# Altium PCB PCB_Kasli.PCBDOC (part 5 of 14)
Units mm, origin at the board's own origin, x right, y up, seen from the top; angles counter-clockwise.
Board outline 162.29 x 100 mm, 6 copper layers (TopLayer, MidLayer1, MidLayer2, SignalLayer1, Internal Plane 1, BottomLayer), stack 1.528 mm thick; 646 components, 567 nets, 2756 pads, 1560 vias.
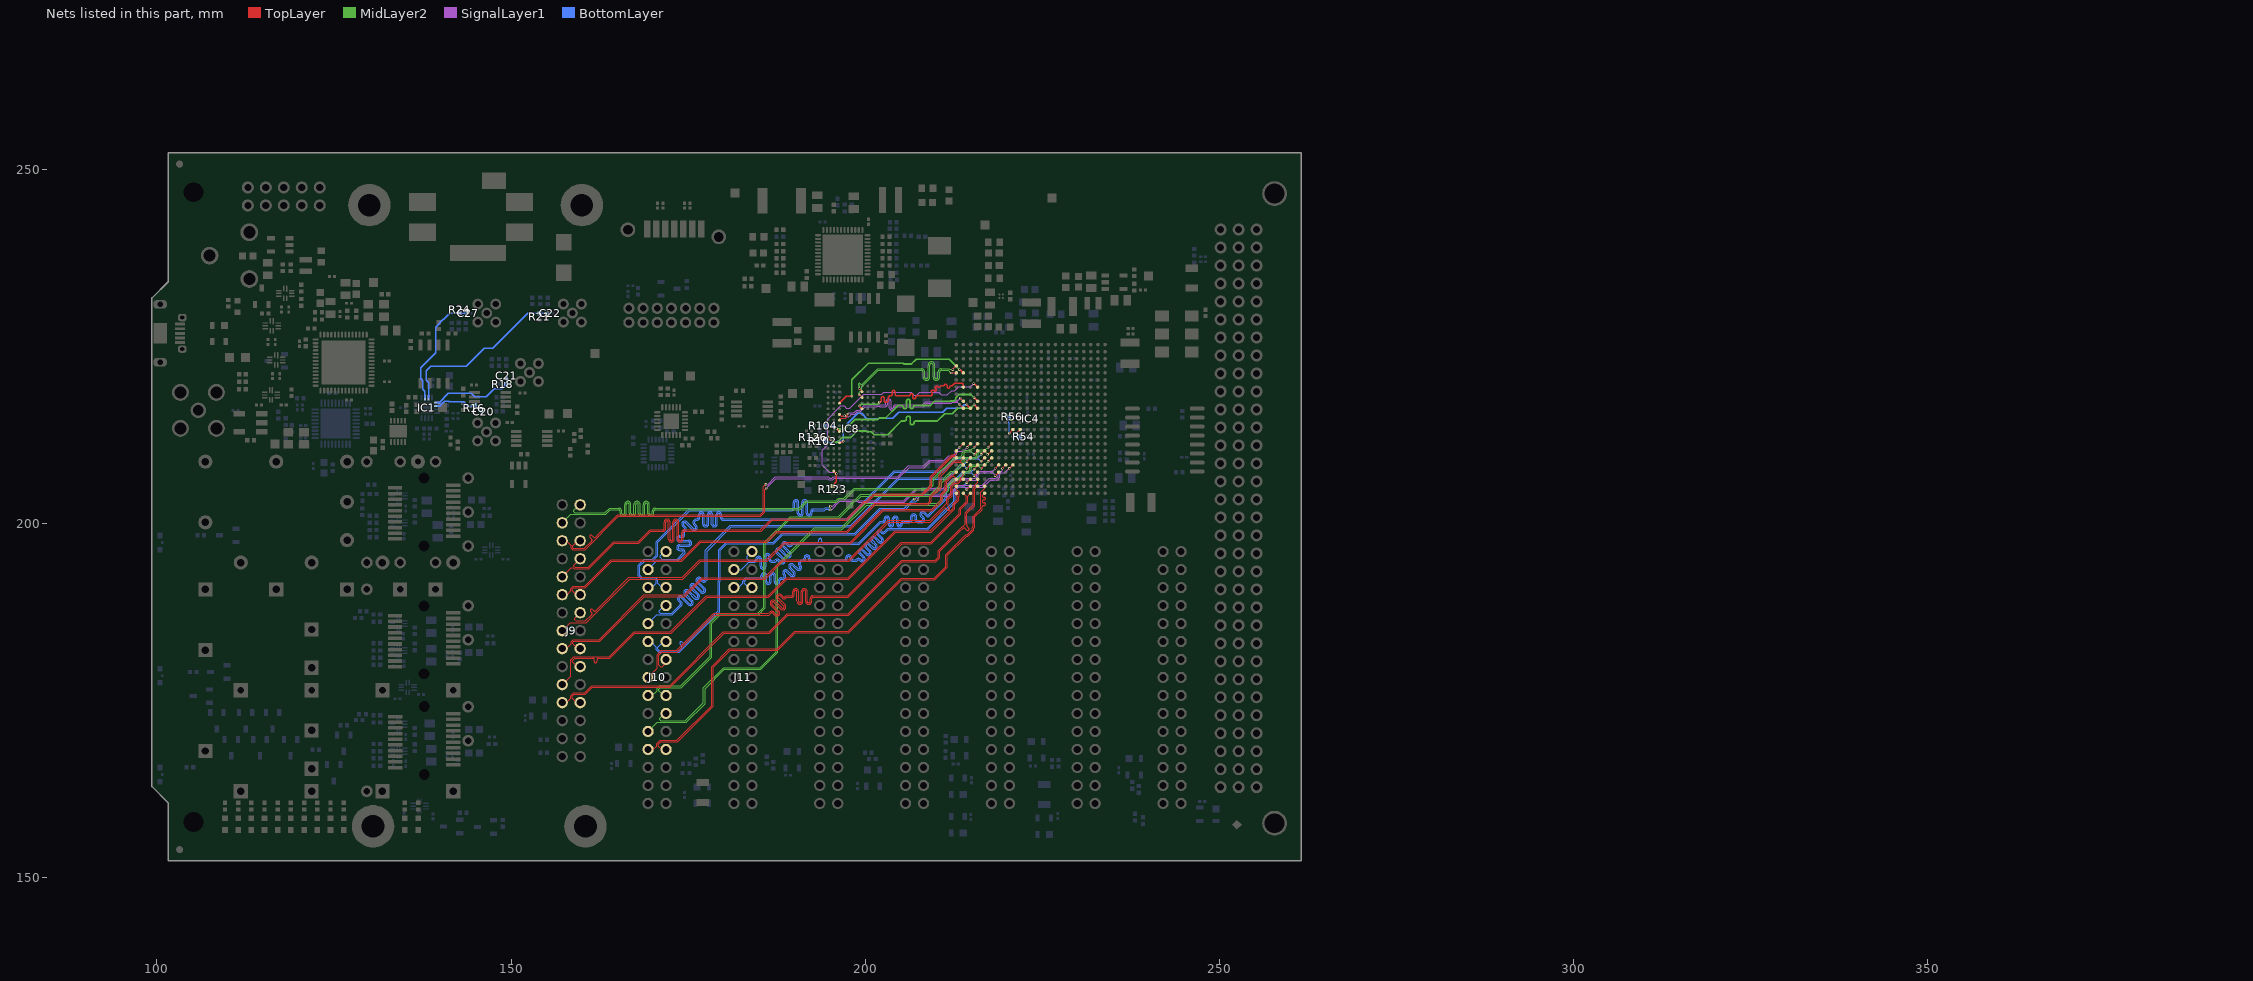
[diagram p9: the nets of this part, all layers, seen from the top]

## Via types
v1: diameter 0.5, hole 0.2, TopLayer to BottomLayer, tented both sides, 724 vias
v2: diameter 0.35, hole 0.15, TopLayer to BottomLayer, tented both sides, 628 vias
v3: diameter 0.8, hole 0.5, TopLayer to BottomLayer, tented both sides, 122 vias
v4: diameter 0.8, hole 0.5, TopLayer to BottomLayer, 66 vias
v5: diameter 0.5, hole 0.2, TopLayer to BottomLayer, 20 vias

## Nets (pads, with @x,y where several pads share a name; then routed paths per layer and width w, separated by ;. In a path a pad name is that pad's centre, name@x,y a point inside that pad or via, vN(x,y) a via of type N, cw(c..) or ccw(c..) an arc to the next point about the centre after c; other vN are vias at no path point) (continued)
DDR3_LDM: IC4.G2 IC8.E7 | length 22.4
  TopLayer w0.19: v2(199.2,216.65) 199.2,216.616 IC8.E7@199.567,216.249 ; v2(202.01,217.186) 202.091,217.186 ccw(c202.091,217.381) 202.286,217.381 202.286,217.767 cw(c202.481,217.767) 202.481,217.962 cw(c202.481,217.767) 202.676,217.767 202.676,217.381 ccw(c202.871,217.381) 202.871,217.186 203.066,217.186 203.275,217.395 203.275,217.875 203.5,218.1 203.63,218.1 ccw(c203.63,218.295) 203.825,218.295 203.825,218.646 cw(c204.02,218.646) 204.02,218.841 cw(c204.02,218.646) 204.215,218.646 204.215,218.295 ccw(c204.41,218.295) 204.41,218.1 204.605,218.1 204.8,218.1 206.15,218.1 206.257,218.1 ccw(c206.257,218.188) 206.345,218.188 cw(c206.54,218.188) 206.54,218.383 cw(c206.54,218.188) 206.735,218.188 206.735,218.1 206.735,217.837 ccw(c206.93,217.837) 206.93,217.642 ccw(c206.93,217.837) 207.125,217.837 207.125,217.905 cw(c207.32,217.905) 207.32,218.1 207.515,218.1 207.75,218.1 209.3,218.1 209.45,218.25 ccw(c209.312,218.388) 209.45,218.526 209.408,218.568 cw(c209.546,218.706) 209.408,218.844 cw(c209.546,218.706) 209.684,218.844 209.726,218.802 ccw(c209.864,218.939) 210.002,218.802 ccw(c209.864,218.939) 210.002,219.077 209.972,219.106 cw(c210.11,219.244) 209.972,219.382 cw(c210.11,219.244) 210.248,219.382 210.277,219.353 ccw(c210.415,219.491) 210.553,219.353 210.662,219.462 210.67,219.47 210.975,219.47 211.134,219.47 ccw(c211.134,219.506) 211.17,219.506 cw(c211.365,219.506) 211.365,219.701 cw(c211.365,219.506) 211.56,219.506 211.56,219.47 211.56,219.356 ccw(c211.755,219.356) 211.755,219.161 ccw(c211.755,219.356) 211.95,219.356 cw(c212.064,219.356) 212.064,219.47 212.32,219.47 212.675,219.825 213.725,219.825 213.872,219.678 IC4.G2@213.872,219.315
  MidLayer2 w0.24: v2(199.2,216.65) 199.45,216.9 201.774,216.9 v2@202,217.126
DDR3_LDQS_N: IC4.J2 IC8.G3 | length 21.3
  TopLayer w0.095: IC8.G3@196.367,214.649 196.607,214.889 196.954,214.889 196.955,214.888 197.264,214.888 197.482,215.106 197.482,215.338 197.56,215.415 v2(197.56,215.511) ; v2(213.437,217.75) IC4.J2@213.872,217.315
  SignalLayer1 w0.115: v2(197.56,215.511) 197.56,215.535 197.703,215.678 198.403,215.678 198.8,216.075 199.225,216.075 199.935,216.785 201.61,216.785 201.628,216.803 202.166,216.803 202.184,216.785 202.8,216.785 ccw(c202.8,216.917) 202.932,216.917 202.932,217.276 cw(c203.3,217.276) 203.3,217.643 cw(c203.3,217.276) 203.668,217.276 203.668,216.389 ccw(c203.8,216.389) 203.8,216.257 ccw(c203.8,216.389) 203.933,216.389 203.933,216.417 cw(c204.3,216.417) 204.3,216.785 208.11,216.785 208.566,217.241 212.049,217.241 212.208,217.4 213.087,217.4 v2(213.437,217.75)
DDR3_LDQS_P: IC4.K2 IC8.F3 | length 21.1
  TopLayer w0.095: IC8.F3@196.367,215.449 196.607,215.209 196.809,215.209 196.861,215.261 v2(197.11,215.261) ; v2(213.372,216.815) IC4.K2@213.872,216.315
  SignalLayer1 w0.115: v2@197.177,215.357 197.177,215.352 197.189,215.34 197.401,215.128 197.718,215.128 197.942,215.352 197.942,215.376 198.009,215.443 198.5,215.443 198.897,215.84 199.322,215.84 200.032,216.55 201.65,216.55 201.693,216.593 202.043,216.593 202.068,216.568 ; v2(213.372,216.815) 213.022,217.165 212.305,217.165 212.237,217.096 212.147,217.006 208.716,217.006 208.26,216.55 204.3,216.55 ccw(c204.3,216.417) 204.168,216.417 204.168,216.389 cw(c203.8,216.389) 203.8,216.022 cw(c203.8,216.389) 203.433,216.389 203.433,217.276 ccw(c203.3,217.276) 203.3,217.408 ccw(c203.3,217.276) 203.168,217.276 203.168,216.917 cw(c202.8,216.917) 202.8,216.55 202.086,216.55 ; 202.068,216.568 202.077,216.559 202.086,216.55 ; 202.068,216.568 202.086,216.55
DDR3_ODT: IC4.K4 IC8.K1 R126.2 | length 27.7
  TopLayer w0.19: R126.2@193.12,212.25 IC8.K1@194.759,212.25 ; IC8.K1@194.767,212.249 IC8.K1@194.759,212.25 ; IC8.K1@194.767,212.249 194.767,212.258 IC8.K1@194.759,212.25 ; v2(195.185,211.885) 195.073,211.885 194.738,212.22 194.734,212.225 IC8.K1@194.759,212.25 ; v2(215.372,216.815) IC4.K4@215.872,216.315
  MidLayer2 w0.24: v2(195.185,211.885) 195.515,211.555 196.105,211.555 196.75,212.2 197.95,212.2 198.87,213.12 200.134,213.12 200.239,213.015 200.884,213.015 201.299,212.6 203.175,212.6 205.1,214.525 205.55,214.525 ccw(c205.55,214.795) 205.82,214.795 205.82,214.937 cw(c206.09,214.937) 206.09,215.207 cw(c206.09,214.937) 206.36,214.937 206.36,214.525 206.36,214.27 ccw(c206.63,214.27) 206.63,214 ccw(c206.63,214.27) 206.9,214.27 206.9,214.255 cw(c207.17,214.255) 207.17,214.525 208.025,214.525 210.2,214.525 211.238,215.562 212.288,215.562 213.056,216.331 214.888,216.331 v2(215.372,216.815)
DDR3_RAS_N: IC4.J4 IC8.J3 R104.1 | length 27.4
  TopLayer w0.19: v2(195.96,213.435) 195.97,213.435 196.356,213.049 IC8.J3@196.367,213.049 ; v2(215.372,217.815) IC4.J4@215.872,217.315
  MidLayer2 w0.24: v2(195.96,213.435) 195.99,213.405 197.209,213.405 198.528,214.724 201.753,214.724 201.979,214.95 202.875,214.95 204.65,216.725 204.89,216.725 205.13,216.725 cw(c205.13,216.485) 205.37,216.485 ccw(c205.61,216.485) 205.61,216.245 ccw(c205.61,216.485) 205.85,216.485 205.85,216.725 205.85,217.349 cw(c206.09,217.349) 206.09,217.589 cw(c206.09,217.349) 206.33,217.349 206.33,216.725 206.33,216.516 ccw(c206.57,216.516) 206.57,216.276 ccw(c206.57,216.516) 206.81,216.516 ; 206.81,216.485 cw(c207.05,216.485) 207.05,216.725 207.275,216.725 209.225,216.725 209.8,217.3 211.975,217.3 212.03,217.355 212.534,217.355 212.795,217.616 212.795,217.82 213.25,218.275 214.912,218.275 v2(215.372,217.815) ; 206.81,216.496 206.81,216.506
  BottomLayer w0.19: R104.1@194.545,213.875 194.665,213.755 195.629,213.755 195.948,213.435 v2(195.96,213.435)
DDR3_RESET_N: IC4.G4 IC8.T2 R123.2 | length 36.2
  TopLayer w0.19: R123.2@195.4,205.37 195.941,205.911 195.941,207.075 IC8.T2@195.567,207.449 ; v2@215.346,219.8 v2(215.336,219.811) 215.376,219.811 IC4.G4@215.872,219.315
  SignalLayer1 w0.1: v2(195.95,207.075) 195.75,207.275 194.9,207.275 193.925,208.25 193.925,210.425 194.7,211.2 194.7,214.775 196.575,216.65 197.05,216.65 197.35,216.35 197.8,216.35 199.275,217.825 199.305,217.825 199.766,218.286 202.315,218.286 202.605,218.575 206.484,218.575 206.899,218.161 207.272,218.161 207.686,218.575 210.4,218.575 210.775,218.2 211.599,218.2 212.199,218.8 212.65,218.8 213.2,219.35 214.875,219.35 v2(215.336,219.811)
DDR3_UDM: IC4.E2 IC8.D3 | length 22.3
  TopLayer w0.19: IC8.D3@196.367,217.049 197.343,218.025 v2(198.125,218.025) ; v2@213.321,221.775 v2(213.31,221.786) 213.401,221.786 IC4.E2@213.872,221.315
  MidLayer2 w0.24: v2(198.125,218.025) 198.125,220.325 200.475,222.675 205.377,222.675 205.472,222.58 206.53,222.58 207.195,223.245 211.863,223.245 213.31,221.798 v2(213.31,221.786)
DDR3_UDQS_N: IC4.D1 IC8.B7 | length 23.2
  TopLayer w0.095: v2(199.16,219.111) 199.16,219.056 IC8.B7@199.567,218.649 ; v2(212.375,221.775) 212.332,221.775 212.354,221.796 IC4.D1@212.872,222.315
  MidLayer2 w0.115: v2(199.16,219.111) 199.16,219.285 ccw(c199.048,219.396) 199.16,219.507 199.101,219.566 cw(c199.213,219.677) 199.101,219.788 cw(c199.213,219.677) 199.324,219.788 199.382,219.73 ccw(c199.494,219.842) 199.605,219.73 ; 199.85,219.975 199.717,219.842 199.605,219.73 ; v2(212.375,221.775) 212.35,221.8 211.932,221.8 211.84,221.893 210.75,221.893 ccw(c210.75,221.425) 210.283,221.425 210.283,220.73 cw(c210.05,220.73) 210.05,220.497 cw(c210.05,220.73) 209.818,220.73 209.818,222.42 ccw(c209.35,222.42) 209.35,222.888 ccw(c209.35,222.42) 208.883,222.42 208.883,220.73 cw(c208.65,220.73) 208.65,220.497 cw(c208.65,220.73) 208.418,220.73 208.418,221.425 ccw(c207.95,221.425) 207.95,221.893 201.767,221.893 199.605,219.73
DDR3_UDQS_P: IC4.E1 IC8.C7 | length 22.7
  TopLayer w0.095: v2(199.15,218.2) 199.216,218.2 IC8.C7@199.567,217.849 ; v2(212.175,221.3) 212.182,221.307 212.865,221.307 IC4.E1@212.872,221.315
  MidLayer2 w0.115: v2(199.15,218.2) 199.15,218.56 199.542,218.952 199.542,219.335 201.865,221.658 207.95,221.658 cw(c207.95,221.425) 208.182,221.425 208.182,220.73 ccw(c208.65,220.73) 208.65,220.262 ccw(c208.65,220.73) 209.118,220.73 209.118,222.42 cw(c209.35,222.42) 209.35,222.653 cw(c209.35,222.42) 209.583,222.42 209.583,220.73 ccw(c210.05,220.73) 210.05,220.262 ccw(c210.05,220.73) 210.518,220.73 210.518,221.425 cw(c210.75,221.425) 210.75,221.658 211.743,221.658 212.1,221.3 v2(212.175,221.3)
DDR3_WE_N: IC4.K3 IC8.L3 R102.1 | length 25.2
  TopLayer w0.19: IC8.L3@196.367,211.449 196.407,211.489 196.692,211.489 196.866,211.664 v2(196.91,211.664) ; v2(214.372,216.815) IC4.K3@214.872,216.315
  BottomLayer w0.19: R102.1@194.495,211.45 195.943,211.45 196.157,211.664 v2(196.91,211.664) 196.91,213.141 197.445,213.676 197.445,214.103 198.931,215.589 199.536,215.589 200.259,214.866 201.859,214.866 201.909,214.915 203.915,214.915 204.75,215.75 210.944,215.75 211.5,216.306 213.492,216.306 214.001,216.815 v2(214.372,216.815)
DXN_0: IC4.N9 R56.1 | length 3
  TopLayer w0.125: v2(220.37,212.827) 220.384,212.827 IC4.N9@220.872,213.315
  BottomLayer w0.125: R56.1@220.305,215.1 220.305,214.278 220.375,214.208 220.375,213.323 220.37,213.319 v2(220.37,212.827)
DXP_0: IC4.N10 R54.1 | length 1.5
  TopLayer w0.125: v2@221.386,212.829 IC4.N10@221.872,213.315
  BottomLayer w0.125: v2(221.386,212.776) 221.887,212.275 R54.1@221.955,212.275
EEM_CLK_OUT0: C20.1 IC1.10 R16.1 | length 7.2
  BottomLayer w0.19: IC1.10@139.55,216.628 139.903,216.628 140.362,217.087 140.4,217.087 140.613,217.3 141.175,217.3 141.245,217.23 143.276,217.23 143.881,216.625 145,216.625 C20.1@145.825,215.8
EEM_CLK_OUT1: C21.1 IC1.9 R18.1 | length 12.1
  BottomLayer w0.19: IC1.9@139.55,217.128 139.828,217.128 141.145,218.445 144.38,218.445 144.855,217.97 146.5,217.97 147.636,219.106 148.3,219.106 148.306,219.1 148.7,219.1 149.375,219.775 C21.1@149.375,220.55
EEM_CLK_OUT2: C22.1 IC1.7 R21.1 | length 24.5
  BottomLayer w0.19: IC1.7@138.35,217.828 138.35,219.922 138.005,220.267 138.005,221.605 138.65,222.25 143.7,222.25 146.25,224.8 147.4,224.8 147.9,225.3 152.35,229.75 C22.1@155.2,229.75
EEM_CLK_OUT3: C27.1 IC1.6 R24.1 | length 16.2
  BottomLayer w0.19: IC1.6@137.85,217.828 137.82,217.858 137.82,218.7 137.5,219.02 137.5,220.191 137.225,220.466 137.225,222.025 139.35,224.15 139.35,227.775 140.445,228.87 140.47,228.87 141.344,229.744 C27.1@143.631,229.744
EXT0.LVDS_0_N: IC4.T4 J9.3 | length 74.7
  TopLayer w0.095: v2(215.372,209.815) IC4.T4@215.872,210.315
  MidLayer2 w0.115: J9.3@157.226,200.152 158.42,201.346 163.354,201.346 164.008,202 165.183,202 cw(c165.183,201.792) 165.391,201.792 165.391,201.503 ccw(c165.833,201.503) 166.276,201.503 166.276,202.731 cw(c166.483,202.731) 166.691,202.731 166.691,201.503 ccw(c167.133,201.503) 167.576,201.503 167.576,202.731 cw(c167.783,202.731) 167.991,202.731 167.991,201.503 ccw(c168.433,201.503) 168.876,201.503 168.876,202.731 cw(c169.083,202.731) 169.291,202.731 169.291,201.503 ccw(c169.733,201.503) 170.176,201.503 170.176,201.792 cw(c170.383,201.792) 170.383,202 190.754,202 191.77,203.016 195.98,203.016 196.336,203.371 197.098,203.371 198.527,204.801 208.916,204.801 209.589,205.474 209.589,206.052 212.801,209.264 213.589,209.264 213.84,209.515 213.978,209.653 213.978,209.944 214.084,210.05 214.092,210.058 ; v2(215.372,209.815) 214.99,210.197 214.696,210.197 214.666,210.168 214.202,210.168 214.146,210.112 ; 214.092,210.058 214.146,210.112 ; 214.092,210.058 214.146,210.112
EXT0.LVDS_0_P: IC4.R4 J9.2 | length 73.8
  TopLayer w0.095: v2(215.372,210.815) IC4.R4@215.872,211.315
  MidLayer2 w0.115: J9.2@159.639,202.692 158.877,201.93 158.877,201.727 159.023,201.581 163.256,201.581 163.91,202.235 165.183,202.235 cw(c165.183,201.792) 165.626,201.792 165.626,201.503 ccw(c165.833,201.503) 166.041,201.503 166.041,202.731 cw(c166.483,202.731) 166.926,202.731 166.926,201.503 ccw(c167.133,201.503) 167.341,201.503 167.341,202.731 cw(c167.783,202.731) 168.226,202.731 168.226,201.503 ccw(c168.433,201.503) 168.641,201.503 168.641,202.731 cw(c169.083,202.731) 169.526,202.731 169.526,201.503 ccw(c169.733,201.503) 169.941,201.503 169.941,201.792 cw(c170.383,201.792) 170.383,202.235 190.657,202.235 191.673,203.251 195.883,203.251 196.238,203.606 197,203.606 198.43,205.036 208.819,205.036 209.354,205.571 209.354,206.149 212.704,209.499 213.492,209.499 213.743,209.75 213.743,210.041 214.105,210.403 214.569,210.403 214.599,210.432 214.99,210.432 v2(215.372,210.815)
EXT0.LVDS_1_N: IC4.R2 J9.6 | length 66.4
  TopLayer w0.095: J9.6@159.766,197.612 159.385,197.612 158.699,196.926 158.699,196.638 158.775,196.562 160.361,196.562 161.374,197.575 ccw(c161.234,197.715) 161.374,197.854 161.158,198.07 cw(c161.298,198.21) 161.158,198.349 cw(c161.298,198.21) 161.437,198.349 161.653,198.134 ccw(c161.793,198.273) 161.932,198.134 162.072,198.273 162.274,198.476 165.068,201.27 185.185,201.27 185.632,201.716 185.632,205.208 v2(185.984,205.56) ; v2(213.372,210.815) IC4.R2@213.872,211.315
  SignalLayer1 w0.115: v2@185.984,205.555 186.223,205.555 187.304,206.635 194.799,206.635 194.992,206.442 195.308,206.442 195.527,206.661 204.582,206.661 206.1,208.178 208.252,208.178 209.089,209.015 211.2,209.015 211.785,209.6 212.376,209.6 212.707,209.931 212.707,210.156 213.069,210.518 213.075,210.518 v2(213.372,210.815)
EXT0.LVDS_1_P: IC4.R3 J9.5 | length 66.8
  TopLayer w0.095: J9.5@157.226,197.612 157.793,197.612 158.479,196.926 158.479,196.547 158.684,196.342 160.452,196.342 165.159,201.05 185.276,201.05 185.852,201.625 185.852,204.866 185.955,204.969 v2@186.034,204.969 ; v2(214.41,210.785) 214.41,210.853 IC4.R3@214.872,211.315
  SignalLayer1 w0.115: v2(186.034,205.06) 186.034,205.033 186.047,205.047 187.401,206.4 194.701,206.4 194.894,206.207 195.406,206.207 195.624,206.426 204.68,206.426 206.197,207.943 208.35,207.943 209.186,208.78 211.297,208.78 211.883,209.365 212.474,209.365 212.942,209.834 212.942,210.058 213.167,210.283 213.908,210.283 v2(214.41,210.785)
EXT0.LVDS_2_N: IC4.U1 J9.9 | length 74.3
  TopLayer w0.095: J9.9@157.226,192.532 158.467,193.773 158.798,193.773 158.938,193.633 160.956,193.633 164.56,197.236 168.036,197.236 169.733,198.933 171.418,198.933 ccw(c171.418,199.35) 171.835,199.35 171.835,200.235 cw(c172.033,200.235) 172.23,200.235 172.23,197.85 ccw(c172.648,197.85) 173.065,197.85 173.065,200.235 cw(c173.263,200.235) 173.46,200.235 173.46,197.85 ccw(c173.878,197.85) 174.295,197.85 174.295,198.735 cw(c174.493,198.735) 174.493,198.933 185.293,198.933 186.893,200.533 197.483,200.533 199.95,203 200.257,203 201.312,204.055 208.171,204.055 208.3,204.184 209.425,205.309 209.425,206.58 212.395,209.55 212.637,209.55 IC4.U1@212.872,209.315
EXT0.LVDS_2_P: IC4.T1 J9.8 | length 73.9
  TopLayer w0.095: J9.8@159.766,195.072 158.877,194.183 158.877,194.005 159.029,193.853 160.865,193.853 164.469,197.456 167.945,197.456 169.642,199.153 171.418,199.153 ccw(c171.418,199.35) 171.615,199.35 171.615,200.235 cw(c172.033,200.235) 172.45,200.235 172.45,197.85 ccw(c172.648,197.85) 172.845,197.85 172.845,200.235 cw(c173.263,200.235) 173.68,200.235 173.68,197.85 ccw(c173.878,197.85) 174.075,197.85 174.075,198.735 cw(c174.493,198.735) 174.493,199.153 174.65,199.153 185.202,199.153 186.802,200.753 197.392,200.753 199.859,203.22 200.166,203.22 201.221,204.275 208.08,204.275 209.205,205.4 209.205,206.671 211.997,209.463 212.304,209.77 212.666,209.77 212.872,209.976 IC4.T1@212.872,210.315
EXT0.LVDS_3_N: IC4.V2 J9.12 | length 65.7
  TopLayer w0.095: J9.12@159.766,189.992 159.207,189.992 158.674,190.525 158.674,190.779 158.886,190.991 160.511,190.991 164.22,194.7 174.126,194.7 176.809,197.383 186.157,197.383 187.503,198.73 197.488,198.73 201.439,202.68 208.941,202.68 209.35,203.089 209.35,203.737 210.714,205.101 210.714,206.819 212.6,208.705 212.812,208.705 213.482,208.705 IC4.V2@213.872,208.315
EXT0.LVDS_3_P: IC4.U2 J9.11 | length 66.2
  TopLayer w0.095: J9.11@157.226,189.992 157.92,189.992 158.454,190.525 158.454,190.871 158.794,191.211 160.42,191.211 164.128,194.92 174.034,194.92 176.718,197.603 186.065,197.603 187.412,198.95 197.397,198.95 201.347,202.9 207.037,202.9 208.85,202.9 209.13,203.18 209.13,203.828 210.494,205.192 210.494,206.91 211.48,207.896 212.509,208.925 212.903,208.925 213.482,208.925 IC4.U2@213.872,209.315
EXT0.LVDS_4_N: IC4.Y1 J9.15 | length 66.1
  TopLayer w0.095: J9.15@157.226,184.912 158.378,186.064 160.587,186.064 166.734,192.21 174.253,192.21 176.759,194.716 186.157,194.716 188.654,197.214 197.957,197.214 202.568,201.825 209.496,201.825 210.888,203.217 210.888,204.08 211.531,204.724 211.531,205.936 212.3,206.705 212.482,206.705 IC4.Y1@212.872,206.315
EXT0.LVDS_4_P: IC4.W1 J9.14 | length 66.1
  TopLayer w0.095: J9.14@159.766,187.452 159.004,186.69 159.004,186.461 159.182,186.284 160.496,186.284 161.394,187.181 ccw(c161.254,187.321) 161.394,187.46 161.244,187.61 cw(c161.384,187.75) 161.244,187.89 cw(c161.384,187.75) 161.523,187.89 161.673,187.74 ccw(c161.813,187.879) 161.952,187.74 162.092,187.879 162.369,188.156 166.643,192.43 174.161,192.43 176.667,194.936 186.065,194.936 188.563,197.434 197.866,197.434 202.477,202.045 209.405,202.045 210.668,203.308 210.668,204.172 211.311,204.815 211.311,206.027 212.209,206.925 212.482,206.925 IC4.W1@212.872,207.315
EXT0.LVDS_5_N: IC4.Y2 J9.18 | length 68.4
  TopLayer w0.095: J9.18@159.766,182.372 159.436,182.372 158.725,183.083 158.725,183.286 158.86,183.422 162.518,183.422 168.836,189.74 174.551,189.74 176.987,192.176 185.869,192.176 188.392,194.7 197.773,194.7 203.327,200.254 209.22,200.254 210.883,201.917 210.993,202.027 211.133,202.166 cw(c211.272,202.027) 211.412,202.166 211.619,201.959 ccw(c211.759,202.098) 211.899,201.959 ccw(c211.759,202.098) 211.899,202.238 211.691,202.446 cw(c211.831,202.585) 211.691,202.725 211.751,202.785 211.751,203.445 212.293,203.987 212.293,205.283 212.719,205.709 213.123,205.709 213.682,206.268 213.825,206.268 IC4.Y2@213.872,206.315
EXT0.LVDS_5_P: IC4.W2 J9.17 | length 68.6
  TopLayer w0.095: J9.17@157.226,182.372 157.793,182.372 158.505,183.083 158.505,183.378 158.769,183.642 162.427,183.642 168.745,189.96 174.46,189.96 176.896,192.396 185.777,192.396 188.301,194.92 197.682,194.92 203.236,200.474 209.129,200.474 211.531,202.876 211.531,203.537 212.073,204.079 212.073,205.374 212.628,205.929 213.032,205.929 213.486,206.382 213.486,206.475 213.872,206.861 IC4.W2@213.872,207.315
EXT0.LVDS_6_N: IC4.AB1 J9.21 | length 69.3
  TopLayer w0.095: J9.21@157.226,177.292 158.405,178.471 158.405,180.791 158.868,181.254 163.874,181.254 167.38,184.76 172.51,184.76 177.59,189.84 186.303,189.84 188.834,192.371 197.587,192.371 204.225,199.009 209.209,199.009 211.607,201.407 212.28,202.08 212.429,202.229 212.429,202.859 212.979,203.41 212.979,203.911 212.872,204.018 IC4.AB1@212.872,204.315 IC4.AB1@212.825,204.363
EXT0.LVDS_6_P: IC4.AA1 J9.20 | length 69.4
  TopLayer w0.095: J9.20@159.766,179.553 J9.20@159.766,179.832 159.293,179.832 158.625,180.5 158.625,180.7 158.959,181.034 161.15,181.034 161.348,181.034 161.545,181.034 cw(c161.545,180.837) 161.743,180.837 161.743,180.564 ccw(c161.94,180.564) 161.94,180.366 ccw(c161.94,180.564) 162.138,180.564 162.138,180.837 cw(c162.335,180.837) 162.335,181.034 162.533,181.034 163.275,181.034 163.966,181.034 167.471,184.54 172.602,184.54 177.682,189.62 186.394,189.62 188.925,192.151 197.678,192.151 204.316,198.789 209.3,198.789 212.649,202.138 212.649,202.768 213.199,203.318 213.199,203.825 213.258,203.884 213.258,204.475 212.872,204.861 IC4.AA1@212.872,205.315
EXT0.LVDS_7_N: IC4.AA4 J9.24 | length 75.1
  TopLayer w0.095: J9.24@159.766,174.752 159.283,174.752 158.648,175.387 158.648,175.641 158.928,175.92 160.477,175.92 161.476,176.92 172.475,176.92 180.086,184.531 186.523,184.531 189.071,187.08 197.671,187.08 205.241,194.649 209.99,194.649 210.566,195.225 210.566,196.107 213.528,199.069 213.678,199.219 213.817,199.358 cw(c213.957,199.219) 214.097,199.358 214.345,199.11 ccw(c214.485,199.25) 214.625,199.11 ccw(c214.485,199.25) 214.625,199.389 214.376,199.638 cw(c214.516,199.777) 214.376,199.917 214.376,201.473 215.478,202.575 215.478,204.921 IC4.AA4@215.872,205.315
EXT0.LVDS_7_P: IC4.Y4 J9.23 | length 74.7
  TopLayer w0.095: J9.23@157.626,174.752 157.793,174.752 158.428,175.387 158.428,175.732 158.837,176.14 160.386,176.14 161.385,177.14 172.383,177.14 179.995,184.751 186.432,184.751 188.98,187.3 197.58,187.3 205.149,194.869 209.899,194.869 210.346,195.316 210.346,196.198 213.579,199.431 213.579,199.457 213.719,199.597 213.734,199.597 213.748,199.61 213.758,199.61 214.124,199.976 214.124,199.986 214.143,200.005 214.143,200.007 214.156,200.02 214.156,201.564 215.258,202.666 215.258,205.083 215.486,205.311 215.486,205.475 215.872,205.861 IC4.Y4@215.872,206.315
EXT1.LVDS_0_N: IC4.U5 J10.3 | length 71.7
  TopLayer w0.095: v2(216.375,208.85) 216.407,208.85 IC4.U5@216.872,209.315
  BottomLayer w0.095: J10.3@169.346,193.548 170.599,194.801 173.556,194.801 174.549,195.794 174.549,196.037 ccw(c174.131,196.037) 174.131,196.455 173.79,196.455 cw(c173.79,196.652) 173.593,196.652 cw(c173.79,196.652) 173.79,196.85 175.087,196.85 ccw(c175.087,197.267) 175.505,197.267 ccw(c175.087,197.267) 175.087,197.685 173.79,197.685 cw(c173.79,197.882) 173.593,197.882 cw(c173.79,197.882) 173.79,198.08 174.131,198.08 ccw(c174.131,198.497) 174.549,198.497 174.549,198.919 174.628,198.999 ccw(c174.333,199.294) 174.75,199.294 ccw(c174.333,199.294) 174.628,199.589 174.387,199.83 cw(c174.526,199.97) 174.386,200.109 ; 174.387,200.109 cw(c174.526,199.97) 174.666,200.109 175.583,199.192 ccw(c175.879,199.487) 176.296,199.487 ccw(c175.879,199.487) 176.174,199.783 175.933,200.024 cw(c176.072,200.164) 175.933,200.303 176.146,200.516 176.258,200.516 ccw(c176.258,200.934) 176.675,200.934 176.675,201.248 cw(c176.873,201.248) 176.873,201.445 cw(c176.873,201.248) 177.07,201.248 177.07,199.978 ccw(c177.488,199.978) 177.488,199.56 ccw(c177.488,199.978) 177.905,199.978 177.905,201.248 cw(c178.103,201.248) 178.103,201.445 cw(c178.103,201.248) 178.3,201.248 178.3,199.978 ccw(c178.718,199.978) 178.718,199.56 ccw(c178.718,199.978) 179.135,199.978 179.135,201.248 cw(c179.333,201.248) 179.333,201.445 cw(c179.333,201.248) 179.53,201.248 179.53,200.934 ccw(c179.948,200.934) 179.948,200.516 197.466,200.516 204.205,207.255 210.989,207.255 212.939,209.205 214.103,209.205 214.115,209.193 214.606,209.193 214.618,209.205 215.982,209.205 216.337,208.85 v2(216.375,208.85)
EXT1.LVDS_0_P: IC4.T5 J10.2 | length 71
  TopLayer w0.095: v2(216.372,209.815) IC4.T5@216.872,210.315
  BottomLayer w0.095: J10.2@171.886,196.088 171.602,196.088 171.044,195.529 171.044,195.275 171.298,195.021 173.465,195.021 174.329,195.885 174.329,196.037 ccw(c174.131,196.037) 174.131,196.235 173.79,196.235 cw(c173.79,196.652) 173.373,196.652 cw(c173.79,196.652) 173.79,197.07 175.087,197.07 ccw(c175.087,197.267) 175.285,197.267 ccw(c175.087,197.267) 175.087,197.465 173.79,197.465 cw(c173.79,197.882) 173.373,197.882 cw(c173.79,197.882) 173.79,198.3 174.131,198.3 ccw(c174.131,198.497) 174.329,198.497 174.329,199.011 174.472,199.154 ccw(c174.333,199.294) 174.53,199.294 ccw(c174.333,199.294) 174.472,199.433 174.231,199.675 cw(c174.526,199.97) 174.822,200.265 175.739,199.348 ccw(c175.879,199.487) 176.018,199.347 ; 176.018,199.348 ccw(c175.879,199.487) 176.076,199.487 ccw(c175.879,199.487) 176.018,199.627 175.777,199.868 cw(c176.072,200.164) 175.777,200.459 176.054,200.736 176.258,200.736 ccw(c176.258,200.934) 176.455,200.934 176.455,201.248 cw(c176.873,201.248) 176.873,201.665 cw(c176.873,201.248) 177.29,201.248 177.29,199.978 ccw(c177.488,199.978) 177.488,199.78 ccw(c177.488,199.978) 177.685,199.978 177.685,201.248 cw(c178.103,201.248) 178.103,201.665 cw(c178.103,201.248) 178.52,201.248 178.52,199.978 ccw(c178.718,199.978) 178.718,199.78 ccw(c178.718,199.978) 178.915,199.978 178.915,201.248 cw(c179.333,201.248) 179.333,201.665 cw(c179.333,201.248) 179.75,201.248 179.75,200.934 ccw(c179.948,200.934) 179.948,200.736 197.375,200.736 204.114,207.475 210.898,207.475 212.848,209.425 213.159,209.425 214.194,209.425 214.206,209.413 214.515,209.413 214.527,209.425 215.982,209.425 v2(216.372,209.815)
EXT1.LVDS_1_N: IC4.W7 J10.6 | length 71.1
  TopLayer w0.095: v2(218.372,206.815) IC4.W7@218.872,207.315
  SignalLayer1 w0.115: v2(195.072,201.981) 195.25,201.981 196.427,203.158 198.89,203.158 199.031,203.016 205.53,203.016 207.309,204.795 211.145,204.795 212.547,206.197 214.53,206.197 214.537,206.191 215.621,206.191 215.989,206.559 215.989,206.931 216.256,207.197 217.99,207.197 v2(218.372,206.815)
  BottomLayer w0.095: J10.6@171.886,191.008 171.365,191.008 170.73,191.643 170.73,192.115 170.44,192.405 168.529,192.405 168.199,192.735 168.199,193.35 168.199,194.049 168.9,194.75 170.025,194.75 170.745,195.47 170.745,197.384 175.24,201.879 189.625,201.879 ccw(c189.625,202.297) 190.042,202.297 190.042,202.992 cw(c190.24,202.992) 190.24,203.19 cw(c190.24,202.992) 190.437,202.992 190.437,201.513 ccw(c190.855,201.513) 190.855,201.096 ccw(c190.855,201.513) 191.272,201.513 191.272,202.992 cw(c191.47,202.992) 191.47,203.19 cw(c191.47,202.992) 191.667,202.992 191.667,201.513 ccw(c192.085,201.513) 192.085,201.096 ccw(c192.085,201.513) 192.503,201.513 192.503,201.682 cw(c192.7,201.682) 192.7,201.879 194.242,201.879 194.437,202.074 194.759,202.074 194.818,202.015 v2@195.07,202.015
EXT1.LVDS_1_P: IC4.V7 J10.5 | length 71.4
  TopLayer w0.095: v2(218.372,207.815) IC4.V7@218.872,208.315
  SignalLayer1 w0.115: v2@195.085,202.475 195.412,202.475 196.329,203.393 198.987,203.393 199.129,203.251 205.433,203.251 207.212,205.03 211.047,205.03 212.443,206.426 212.799,206.426 212.806,206.432 214.628,206.432 214.634,206.426 215.524,206.426 215.754,206.657 215.754,207.029 216.158,207.432 217.99,207.432 v2(218.372,207.815)
  BottomLayer w0.095: J10.5@169.346,191.008 169.875,191.008 170.51,191.643 170.51,192.024 170.349,192.185 168.438,192.185 167.979,192.644 167.979,194.14 168.809,194.97 169.934,194.97 170.525,195.561 170.525,197.475 175.149,202.099 175.959,202.099 189.625,202.099 ccw(c189.625,202.297) 189.822,202.297 189.822,202.992 cw(c190.24,202.992) 190.24,203.41 cw(c190.24,202.992) 190.657,202.992 190.657,201.513 ccw(c190.855,201.513) 190.855,201.316 ccw(c190.855,201.513) 191.052,201.513 191.052,202.992 cw(c191.47,202.992) 191.47,203.41 cw(c191.47,202.992) 191.887,202.992 191.887,201.513 ccw(c192.085,201.513) 192.085,201.316 ccw(c192.085,201.513) 192.283,201.513 192.283,201.682 cw(c192.7,201.682) 192.7,202.099 194.151,202.099 194.346,202.294 194.858,202.294 195.039,202.475 v2@195.075,202.475
  other v2: 195.085,202.485
EXT1.LVDS_2_N: IC4.V3 J10.9 | length 69.4
  TopLayer w0.095: v2(214.372,207.815) IC4.V3@214.872,208.315
  BottomLayer w0.095: J10.9@169.346,185.928 170.548,187.13 172.754,187.13 174.041,188.417 ccw(c173.746,188.712) 174.163,188.712 ccw(c173.746,188.712) 174.041,189.008 173.769,189.28 cw(c173.908,189.42) 173.768,189.559 ; 173.769,189.559 cw(c173.908,189.42) 174.048,189.559 175.027,188.58 ccw(c175.322,188.875) 175.618,188.58 ccw(c175.322,188.875) 175.74,188.875 ccw(c175.322,188.875) 175.618,189.17 174.638,190.15 cw(c174.778,190.289) 174.638,190.429 cw(c174.778,190.289) 174.918,190.429 175.897,189.45 ccw(c176.192,189.745) 176.487,189.45 ccw(c176.192,189.745) 176.61,189.745 ccw(c176.192,189.745) 176.487,190.04 175.508,191.019 cw(c175.648,191.159) 175.508,191.298 ; 175.508,191.299 cw(c175.648,191.159) 175.787,191.299 176.767,190.319 ccw(c177.062,190.615) 177.357,190.319 ccw(c177.062,190.615) 177.479,190.615 ccw(c177.062,190.615) 177.357,190.91 176.378,191.889 cw(c176.517,192.029) 176.377,192.168 ; 176.378,192.169 cw(c176.517,192.029) 176.657,192.168 176.929,191.896 ccw(c177.225,192.191) 177.52,191.896 177.674,192.051 177.674,196.165 181.077,199.568 198.025,199.568 204.73,206.273 211.684,206.273 213.615,208.205 213.982,208.205 v2(214.372,207.815)
EXT1.LVDS_2_P: IC4.U3 J10.8 | length 68.9
  TopLayer w0.095: v2(214.36,208.785) 214.36,208.803 IC4.U3@214.872,209.315
  BottomLayer w0.095: J10.8@171.886,188.468 171.628,188.468 170.917,187.757 170.917,187.528 171.094,187.35 172.663,187.35 173.885,188.573 ccw(c173.746,188.712) 173.943,188.712 ccw(c173.746,188.712) 173.885,188.852 173.613,189.124 cw(c173.908,189.42) 173.613,189.715 cw(c173.908,189.42) 174.203,189.715 175.183,188.735 ccw(c175.322,188.875) 175.462,188.735 ; 175.462,188.735 ccw(c175.322,188.875) 175.52,188.875 ccw(c175.322,188.875) 175.462,189.015 174.483,189.994 cw(c174.778,190.289) 174.483,190.584 cw(c174.778,190.289) 175.073,190.584 176.053,189.605 ccw(c176.192,189.745) 176.331,189.605 ccw(c176.192,189.745) 176.39,189.745 ccw(c176.192,189.745) 176.332,189.884 175.352,190.864 cw(c175.648,191.159) 175.352,191.454 cw(c175.648,191.159) 175.943,191.454 176.922,190.475 ccw(c177.062,190.615) 177.201,190.474 ; 177.202,190.475 ccw(c177.062,190.615) 177.259,190.615 ccw(c177.062,190.615) 177.202,190.754 176.222,191.734 cw(c176.517,192.029) 176.222,192.324 cw(c176.517,192.029) 176.813,192.324 177.085,192.052 ccw(c177.225,192.191) 177.364,192.052 177.454,192.142 177.454,196.257 180.985,199.788 197.934,199.788 204.639,206.493 211.592,206.493 213.524,208.425 213.982,208.425 214.342,208.785 v2(214.36,208.785)
EXT1.LVDS_3_N: IC4.V8 J10.12 | length 68.4
  TopLayer w0.095: v2(219.372,207.815) IC4.V8@219.872,208.315
  SignalLayer1 w0.115: v2(206.959,203.505) 207.002,203.505 207.637,204.14 211.783,204.14 213.085,205.442 213.128,205.442 213.155,205.469 213.667,205.469 213.693,205.442 214.204,205.442 214.214,205.432 214.53,205.432 214.54,205.442 216.204,205.442 216.214,205.432 216.53,205.432 217.524,206.426 218.103,206.426 218.105,206.428 218.526,206.428 218.788,206.69 218.788,207.063 219.149,207.424 219.27,207.424 219.372,207.526 v2(219.372,207.815)
  BottomLayer w0.095: J10.12@171.886,183.388 171.526,183.388 170.739,182.601 170.739,182.321 170.944,182.116 173.651,182.116 174.075,182.54 ccw(c173.935,182.679) 174.075,182.819 173.859,183.035 cw(c173.999,183.174) 173.859,183.314 cw(c173.999,183.174) 174.139,183.314 174.354,183.098 ccw(c174.494,183.238) 174.634,183.098 174.743,183.207 179.243,187.707 179.243,191.892 179.307,191.956 179.307,196.376 180.353,197.421 187.001,197.421 188.275,198.696 198.503,198.696 202.042,202.235 205.537,202.235 206.807,203.505 v2(206.959,203.505) v2@207.023,203.568
EXT1.LVDS_3_P: IC4.V9 J10.11 | length 68.6
  TopLayer w0.095: v2(220.372,207.825) 220.382,207.825 IC4.V9@220.872,208.315
  SignalLayer1 w0.115: v2@207.405,203.41 207.405,203.57 207.74,203.905 211.88,203.905 213.173,205.197 213.216,205.197 213.252,205.234 213.569,205.234 213.605,205.197 214.628,205.197 214.637,205.207 216.107,205.207 216.116,205.197 216.628,205.197 216.637,205.207 216.694,205.207 217.678,206.191 218.2,206.191 218.202,206.193 218.519,206.193 218.521,206.191 218.621,206.191 219.023,206.592 219.023,206.965 219.247,207.189 219.7,207.189 220.336,207.825 v2(220.372,207.825)
  BottomLayer w0.095: J10.11@169.539,183.388 169.731,183.388 170.519,182.601 170.519,182.23 170.853,181.896 173.742,181.896 179.463,187.616 179.463,191.801 179.527,191.865 179.527,196.285 180.444,197.201 187.092,197.201 188.366,198.476 198.594,198.476 202.133,202.015 205.628,202.015 206.745,203.132 207.171,203.132 207.449,203.41 v2(207.46,203.41)
EXT1.LVDS_4_N: IC4.AB2 J10.15 | length 71.5
  TopLayer w0.095: J10.15@169.346,178.308 170.62,179.583 170.62,181.549 171.19,182.118 173.399,182.118 178.623,187.342 186.345,187.342 186.525,187.522 cw(c186.82,187.226) 187.115,187.522 187.387,187.249 ccw(c187.527,187.389) 187.666,187.249 ccw(c187.527,187.389) 187.725,187.389 ccw(c187.527,187.389) 187.667,187.529 186.687,188.508 cw(c186.983,188.803) 187.278,189.098 188.257,188.119 ccw(c188.397,188.259) 188.536,188.119 ccw(c188.397,188.259) 188.594,188.259 ccw(c188.397,188.259) 188.536,188.398 187.557,189.378 cw(c187.852,189.673) 188.148,189.968 188.42,189.696 ccw(c188.559,189.836) 188.699,189.696 188.843,189.84 189.559,189.84 ccw(c189.559,190.037) 189.756,190.037 189.756,190.422 cw(c190.174,190.422) 190.174,190.84 cw(c190.174,190.422) 190.591,190.422 190.591,189.037 ccw(c190.789,189.037) 190.789,188.84 ccw(c190.789,189.037) 190.986,189.037 190.986,190.422 cw(c191.404,190.422) 191.404,190.84 cw(c191.404,190.422) 191.821,190.422 191.821,189.037 ccw(c192.019,189.037) 192.019,188.84 ccw(c192.019,189.037) 192.216,189.037 192.216,189.422 cw(c192.634,189.422) 192.634,189.84 197.529,189.84 205.115,197.426 209.259,197.426 213.292,201.459 213.292,202.142 214.262,203.111 214.262,203.925 IC4.AB2@213.872,204.315
EXT1.LVDS_4_P: IC4.AB3 J10.14 | length 70.5
  TopLayer w0.095: J10.14@171.886,180.395 171.348,179.857 171.069,179.857 170.84,180.086 170.84,181.458 171.281,181.898 173.491,181.898 178.714,187.122 186.436,187.122 186.68,187.366 cw(c186.82,187.226) 186.96,187.366 187.232,187.094 ccw(c187.527,187.389) 187.945,187.389 ccw(c187.527,187.389) 187.822,187.684 186.843,188.664 cw(c186.983,188.803) 186.842,188.943 cw(c186.983,188.803) 187.122,188.943 188.102,187.964 ccw(c188.397,188.259) 188.814,188.259 ccw(c188.397,188.259) 188.692,188.554 187.713,189.533 cw(c187.852,189.673) 187.712,189.812 ; 187.713,189.813 cw(c187.852,189.673) 187.992,189.813 188.264,189.54 ccw(c188.559,189.836) 188.855,189.54 188.934,189.62 189.559,189.62 ccw(c189.559,190.037) 189.976,190.037 189.976,190.422 cw(c190.174,190.422) 190.174,190.62 cw(c190.174,190.422) 190.371,190.422 190.371,189.037 ccw(c190.789,189.037) 190.789,188.62 ccw(c190.789,189.037) 191.206,189.037 191.206,190.422 cw(c191.404,190.422) 191.404,190.62 cw(c191.404,190.422) 191.601,190.422 191.601,189.037 ccw(c192.019,189.037) 192.019,188.62 ccw(c192.019,189.037) 192.436,189.037 192.436,189.422 cw(c192.634,189.422) 192.634,189.62 197.621,189.62 205.207,197.206 209.351,197.206 213.512,201.367 213.512,202.051 214.482,203.02 214.482,203.925 IC4.AB3@214.872,204.315
EXT1.LVDS_5_N: IC4.T6 J10.18 | length 71.9
  TopLayer w0.095: v2(217.297,209.804) 217.361,209.804 IC4.T6@217.872,210.315
  MidLayer2 w0.115: J10.18@171.886,175.768 171.552,175.768 170.866,176.454 170.866,176.657 171.088,176.879 174.062,176.879 178.359,181.176 178.359,185.998 179.451,187.09 184.882,187.09 185.928,188.136 185.928,197.199 189.509,200.781 196.312,200.781 198.243,202.711 198.243,202.89 198.51,203.158 198.689,203.158 199.443,203.911 209.373,203.911 210.801,205.339 210.801,205.816 211.506,206.521 211.506,206.527 212.176,207.197 212.628,207.197 212.642,207.212 212.674,207.212 213.975,208.513 213.975,208.946 214.197,209.168 214.616,209.168 214.646,209.197 215.628,209.197 215.99,209.559 215.99,209.989 216.197,210.197 216.99,210.197 217.297,209.89 v2(217.297,209.804)
EXT1.LVDS_5_P: IC4.R6 J10.17 | length 72.5
  TopLayer w0.095: v2(217.372,210.815) IC4.R6@217.872,211.315
  MidLayer2 w0.115: J10.17@169.346,175.768 169.945,175.768 170.631,176.454 170.631,176.754 170.991,177.114 173.965,177.114 178.124,181.273 178.124,186.095 179.354,187.325 184.785,187.325 185.693,188.233 185.693,197.297 189.412,201.016 196.215,201.016 198.008,202.808 198.008,202.987 198.413,203.393 198.592,203.393 199.346,204.146 209.276,204.146 210.566,205.436 210.566,205.914 211.18,206.527 211.18,206.534 212.079,207.432 212.53,207.432 212.545,207.447 212.577,207.447 213.74,208.61 213.74,209.043 214.1,209.403 214.519,209.403 214.549,209.432 215.53,209.432 215.755,209.657 215.755,210.087 216.1,210.432 216.99,210.432 v2(217.372,210.815)
EXT1.LVDS_6_N: IC4.V5 J10.21 | length 72.6
  TopLayer w0.095: v2(216.372,207.815) IC4.V5@216.872,208.315
  MidLayer2 w0.115: J10.21@169.346,170.688 170.609,171.952 174.716,171.952 177.394,174.629 177.394,176.733 180.13,179.47 185.289,179.47 187.681,181.862 187.681,193.954 192.907,199.18 196.717,199.18 200.192,202.656 210.348,202.656 210.896,203.204 210.896,203.88 211.792,204.776 211.792,205.283 212.632,206.124 213.14,206.124 213.9,206.884 214.214,207.198 214.628,207.198 214.99,207.559 214.99,207.905 215.202,208.118 216.069,208.118 v2(216.372,207.815)
EXT1.LVDS_6_P: IC4.U6 J10.20 | length 72.7
  TopLayer w0.095: v2(217.372,208.815) IC4.U6@217.872,209.315
  MidLayer2 w0.115: J10.20@171.653,173.228 170.993,172.568 170.993,172.364 171.171,172.187 174.619,172.187 177.159,174.727 177.159,176.831 180.033,179.705 185.191,179.705 187.446,181.959 187.446,194.052 192.809,199.415 196.619,199.415 200.095,202.891 210.251,202.891 210.661,203.302 210.661,203.977 211.557,204.873 211.557,205.38 212.535,206.359 213.042,206.359 213.665,206.981 214.116,207.433 214.53,207.433 214.755,207.657 214.755,208.002 215.105,208.353 216.91,208.353 v2(217.372,208.815)
EXT1.LVDS_7_N: IC4.AB5 J10.24 | length 69.9
  TopLayer w0.095: J10.24@171.886,168.148 171.272,168.148 170.79,168.631 170.79,168.885 171.128,169.223 173.522,169.223 178.537,174.238 178.537,179.73 180.924,182.118 187.672,182.118 190.161,184.607 197.68,184.607 205.181,192.109 209.853,192.109 211.607,193.863 211.607,195.541 214.321,198.255 214.505,198.255 215.331,199.081 215.331,199.369 215.5,199.538 215.5,200.996 216.525,202.022 216.525,202.175 216.525,202.388 cw(c216.722,202.388) 216.722,202.585 216.799,202.585 ccw(c216.799,202.783) 216.997,202.783 ccw(c216.799,202.783) 216.799,202.98 216.722,202.98 cw(c216.722,203.178) 216.525,203.178 cw(c216.722,203.178) 216.722,203.375 216.799,203.375 ccw(c216.799,203.573) 216.997,203.573 ccw(c216.799,203.573) 216.799,203.77 216.722,203.77 cw(c216.722,203.968) 216.525,203.968 IC4.AB5@216.872,204.315
EXT1.LVDS_7_P: IC4.AA5 J10.23 | length 69.9
  TopLayer w0.095: J10.23@169.346,168.148 170.087,168.148 170.57,168.631 170.57,168.976 171.037,169.443 173.431,169.443 178.317,174.329 178.317,179.822 180.833,182.338 187.581,182.338 190.07,184.827 197.588,184.827 205.09,192.329 209.762,192.329 211.387,193.954 211.387,195.632 214.23,198.475 214.414,198.475 215.111,199.172 215.111,199.46 215.28,199.629 215.28,201.087 216.305,202.113 216.305,204.45 216.872,205.018 IC4.AA5@216.872,205.315
EXT2.LVDS_0_N: IC4.W4 J11.3 | length 58.9
  TopLayer w0.095: v2(215.372,206.815) IC4.W4@215.872,207.315
  BottomLayer w0.095: J11.3@181.465,193.548 182.524,193.548 183.574,194.598 184.384,194.598 ccw(c184.384,194.984) 184.771,194.984 cw(c184.968,194.984) 184.968,195.182 cw(c184.968,194.984) 185.166,194.984 185.166,194.015 ccw(c185.583,194.015) 185.583,193.598 ccw(c185.583,194.015) 186.001,194.015 186.001,195.4 cw(c186.198,195.4) 186.198,195.598 cw(c186.198,195.4) 186.396,195.4 186.396,195.016 ccw(c186.813,195.016) 186.813,194.598 187.308,194.598 187.452,194.742 cw(c187.591,194.602) 187.731,194.742 188.003,194.469 ccw(c188.299,194.765) 188.594,194.469 ccw(c188.299,194.765) 188.716,194.765 ccw(c188.299,194.765) 188.594,195.06 187.614,196.039 cw(c187.754,196.179) 187.614,196.318 ; 187.615,196.319 cw(c187.754,196.179) 187.894,196.318 188.873,195.339 ccw(c189.168,195.634) 189.464,195.339 ccw(c189.168,195.634) 189.586,195.634 ccw(c189.168,195.634) 189.464,195.93 188.484,196.909 cw(c188.624,197.049) 188.484,197.188 ; 188.484,197.188 cw(c188.624,197.049) 188.763,197.188 189.036,196.916 ccw(c189.331,197.211) 189.626,196.916 189.846,197.136 199.19,197.136 202.235,200.18 202.525,200.18 ccw(c202.525,200.537) 202.883,200.537 202.883,200.692 cw(c203.07,200.692) 203.257,200.692 203.257,199.991 ccw(c203.665,199.991) 204.073,199.991 204.073,200.692 cw(c204.26,200.692) 204.447,200.692 204.447,199.991 ccw(c204.855,199.991) 205.263,199.991 cw(c205.45,199.992) 205.45,200.18 206.248,200.18 ccw(c206.248,200.598) 206.666,200.598 206.666,200.982 cw(c206.863,200.982) 207.061,200.982 207.061,200.598 ccw(c207.478,200.598) 207.478,200.18 208.13,200.18 208.274,200.323 ccw(c207.979,200.619) 208.396,200.619 ccw(c207.979,200.619) 208.274,200.914 208.002,201.186 cw(c208.141,201.326) 208.001,201.466 cw(c208.141,201.326) 208.281,201.466 208.629,201.117 ccw(c208.848,201.336) 209.067,201.117 211.506,203.556 211.506,204.771 213.9,207.165 214.195,207.165 214.218,207.187 214.999,207.187 v2(215.372,206.815)
EXT2.LVDS_0_P: IC4.V4 J11.2 | length 58.8
  TopLayer w0.095: v2@215.385,207.779 215.407,207.757 215.872,208.222 IC4.V4@215.872,208.315
  BottomLayer w0.095: J11.2@184.005,196.088 183.337,195.42 183.337,195.072 183.591,194.818 184.384,194.818 ccw(c184.384,194.984) 184.551,194.984 cw(c184.968,194.984) 184.968,195.402 cw(c184.968,194.984) 185.386,194.984 185.386,194.015 ccw(c185.583,194.015) 185.583,193.818 ccw(c185.583,194.015) 185.781,194.015 185.781,195.4 cw(c186.198,195.4) 186.198,195.818 cw(c186.198,195.4) 186.616,195.4 186.616,195.016 ccw(c186.813,195.016) 186.813,194.818 187.217,194.818 187.296,194.897 cw(c187.591,194.602) 187.887,194.897 188.159,194.625 ccw(c188.299,194.765) 188.438,194.624 ; 188.438,194.625 ccw(c188.299,194.765) 188.496,194.765 ccw(c188.299,194.765) 188.438,194.904 187.459,195.884 cw(c187.754,196.179) 187.459,196.474 cw(c187.754,196.179) 188.049,196.474 189.029,195.495 ccw(c189.168,195.634) 189.308,195.494 ; 189.308,195.495 ccw(c189.168,195.634) 189.366,195.634 ccw(c189.168,195.634) 189.308,195.774 188.329,196.753 cw(c188.624,197.049) 188.329,197.344 cw(c188.624,197.049) 188.919,197.344 189.191,197.072 ccw(c189.331,197.211) 189.471,197.071 189.755,197.356 189.958,197.356 193.266,197.356 193.275,197.356 ccw(c193.275,197.553) 193.473,197.553 193.473,197.74 cw(c193.67,197.74) 193.67,197.938 cw(c193.67,197.74) 193.868,197.74 193.868,197.553 ccw(c194.065,197.553) 194.065,197.356 199.099,197.356 202.144,200.4 202.525,200.4 ccw(c202.525,200.537) 202.662,200.537 202.662,200.692 cw(c203.07,200.692) 203.478,200.692 203.478,199.991 ccw(c203.665,199.991) 203.852,199.991 203.852,200.692 cw(c204.26,200.692) 204.668,200.692 204.668,199.991 ccw(c204.855,199.991) 205.042,199.991 cw(c205.45,199.992) 205.45,200.4 206.248,200.4 ccw(c206.248,200.598) 206.446,200.598 206.446,200.982 cw(c206.863,200.982) 207.281,200.982 207.281,200.598 ccw(c207.478,200.598) 207.478,200.4 208.039,200.4 208.118,200.479 ; 208.118,200.479 ccw(c207.979,200.619) 208.176,200.619 ccw(c207.979,200.619) 208.118,200.758 207.846,201.03 cw(c208.141,201.326) 207.846,201.621 cw(c208.141,201.326) 208.436,201.621 208.785,201.273 ccw(c208.848,201.336) 208.912,201.273 ; 208.912,201.273 211.286,203.647 211.286,204.862 213.809,207.385 214.104,207.385 214.127,207.407 215.033,207.407 215.361,207.735 v2(215.385,207.735)
EXT2.LVDS_1_N: IC4.AA3 J11.6 | length 59.5
  TopLayer w0.095: v2(214.372,204.815) IC4.AA3@214.872,205.315
  BottomLayer w0.095: J11.6@184.005,191.008 183.49,191.008 182.905,191.592 182.905,191.821 183.244,192.16 185.09,192.16 ccw(c185.09,192.577) 185.507,192.577 185.507,192.662 cw(c185.705,192.662) 185.705,192.86 cw(c185.705,192.662) 185.902,192.662 185.902,191.877 ccw(c186.32,191.877) 186.32,191.46 ccw(c186.32,191.877) 186.737,191.877 186.737,192.662 cw(c186.935,192.662) 186.935,192.86 cw(c186.935,192.662) 187.132,192.662 187.132,191.877 ccw(c187.55,191.877) 187.55,191.46 ccw(c187.55,191.877) 187.967,191.877 187.967,191.962 cw(c188.165,191.962) 188.165,192.16 188.527,192.16 188.671,192.303 ccw(c188.376,192.598) 188.793,192.598 ccw(c188.376,192.598) 188.671,192.894 188.611,192.954 cw(c188.751,193.093) 188.61,193.233 ; 188.611,193.233 cw(c188.751,193.093) 188.89,193.233 189.445,192.678 ccw(c189.74,192.973) 190.036,192.678 ccw(c189.74,192.973) 190.158,192.973 ccw(c189.74,192.973) 190.036,193.268 189.481,193.823 cw(c189.62,193.963) 189.48,194.102 ; 189.481,194.103 cw(c189.62,193.963) 189.76,194.103 190.315,193.548 ccw(c190.61,193.843) 190.905,193.548 ccw(c190.61,193.843) 191.028,193.843 ccw(c190.61,193.843) 190.905,194.138 190.845,194.198 cw(c190.985,194.338) 190.845,194.478 191.059,194.691 191.171,194.691 ccw(c191.171,195.108) 191.588,195.108 191.588,195.193 cw(c191.786,195.193) 191.786,195.391 cw(c191.786,195.193) 191.983,195.193 191.983,195.109 ccw(c192.401,195.109) 192.401,194.691 197.053,194.691 ccw(c197.053,195.108) 197.471,195.108 197.471,195.193 cw(c197.668,195.193) 197.668,195.391 cw(c197.668,195.193) 197.866,195.193 197.866,195.109 ccw(c198.283,195.109) 198.283,194.691 198.787,194.691 198.931,194.835 cw(c199.07,194.695) 199.21,194.835 199.27,194.774 ccw(c199.565,195.07) 199.861,194.774 ccw(c199.565,195.07) 199.983,195.07 ccw(c199.565,195.07) 199.861,195.365 199.306,195.92 cw(c199.445,196.06) 199.306,196.199 cw(c199.445,196.06) 199.585,196.199 200.14,195.644 ccw(c200.435,195.939) 200.73,195.644 ccw(c200.435,195.939) 200.853,195.939 ccw(c200.435,195.939) 200.73,196.235 200.175,196.79 cw(c200.315,196.929) 200.175,197.069 cw(c200.315,196.929) 200.455,197.069 201.01,196.514 ccw(c201.305,196.809) 201.6,196.514 ccw(c201.305,196.809) 201.722,196.809 ccw(c201.305,196.809) 201.6,197.104 201.045,197.659 cw(c201.185,197.799) 201.045,197.938 ; 201.045,197.939 cw(c201.185,197.799) 201.324,197.939 201.879,197.384 ccw(c202.175,197.679) 202.47,197.384 ccw(c202.175,197.679) 202.592,197.679 ccw(c202.175,197.679) 202.47,197.974 201.915,198.529 cw(c202.054,198.669) 201.914,198.808 cw(c202.054,198.669) 202.194,198.809 202.254,198.748 ccw(c202.549,199.044) 202.845,198.748 203.276,199.18 208.832,199.18 212.725,203.073 212.725,204.695 213.235,205.205 213.238,205.205 213.257,205.224 213.565,205.224 213.584,205.205 213.982,205.205 v2(214.372,204.815)
EXT2.LVDS_1_P: IC4.Y3 J11.5 | length 60
  TopLayer w0.095: v2(214.372,205.815) IC4.Y3@214.872,206.315
  BottomLayer w0.095: J11.5@181.465,191.008 182.101,191.008 182.685,191.592 182.685,191.912 183.153,192.38 185.09,192.38 ccw(c185.09,192.577) 185.287,192.577 185.287,192.662 cw(c185.705,192.662) 185.705,193.08 cw(c185.705,192.662) 186.122,192.662 186.122,191.877 ccw(c186.32,191.877) 186.32,191.68 ccw(c186.32,191.877) 186.517,191.877 186.517,192.662 cw(c186.935,192.662) 186.935,193.08 cw(c186.935,192.662) 187.352,192.662 187.352,191.877 ccw(c187.55,191.877) 187.55,191.68 ccw(c187.55,191.877) 187.747,191.877 187.747,191.962 cw(c188.165,191.962) 188.165,192.38 188.436,192.38 188.515,192.459 ccw(c188.376,192.598) 188.573,192.598 ccw(c188.376,192.598) 188.515,192.738 188.455,192.798 cw(c188.751,193.093) 188.455,193.389 cw(c188.751,193.093) 189.046,193.389 189.601,192.834 ccw(c189.74,192.973) 189.88,192.834 ; 189.881,192.834 ccw(c189.74,192.973) 189.938,192.973 ccw(c189.74,192.973) 189.88,193.113 189.325,193.668 cw(c189.62,193.963) 189.325,194.258 cw(c189.62,193.963) 189.915,194.258 190.471,193.703 ccw(c190.61,193.843) 190.749,193.703 ; 190.75,193.703 ccw(c190.61,193.843) 190.808,193.843 ccw(c190.61,193.843) 190.75,193.983 190.69,194.043 cw(c190.985,194.338) 190.69,194.633 190.968,194.911 191.171,194.911 ccw(c191.171,195.108) 191.368,195.108 191.368,195.193 cw(c191.786,195.193) 191.786,195.611 cw(c191.786,195.193) 192.203,195.193 192.203,195.109 ccw(c192.401,195.109) 192.401,194.911 197.053,194.911 ccw(c197.053,195.108) 197.251,195.108 197.251,195.193 cw(c197.668,195.193) 197.668,195.611 cw(c197.668,195.193) 198.086,195.193 198.086,195.109 ccw(c198.283,195.109) 198.283,194.911 198.696,194.911 198.775,194.99 cw(c199.07,194.695) 199.366,194.99 199.426,194.93 ccw(c199.565,195.07) 199.705,194.93 ; 199.706,194.93 ccw(c199.565,195.07) 199.763,195.07 ccw(c199.565,195.07) 199.705,195.209 199.15,195.764 cw(c199.445,196.06) 199.15,196.355 cw(c199.445,196.06) 199.74,196.355 200.296,195.8 ccw(c200.435,195.939) 200.574,195.799 ccw(c200.435,195.939) 200.633,195.939 ccw(c200.435,195.939) 200.575,196.079 200.02,196.634 cw(c200.315,196.929) 200.02,197.225 cw(c200.315,196.929) 200.61,197.225 201.165,196.67 ccw(c201.305,196.809) 201.444,196.669 ; 201.445,196.67 ccw(c201.305,196.809) 201.502,196.809 ccw(c201.305,196.809) 201.445,196.949 200.889,197.504 cw(c201.185,197.799) 200.889,198.094 cw(c201.185,197.799) 201.48,198.094 202.035,197.539 ccw(c202.175,197.679) 202.314,197.539 ; 202.314,197.539 ccw(c202.175,197.679) 202.372,197.679 ccw(c202.175,197.679) 202.314,197.819 201.759,198.374 cw(c202.054,198.669) 201.759,198.964 cw(c202.054,198.669) 202.35,198.964 202.41,198.904 ccw(c202.549,199.044) 202.689,198.904 203.185,199.4 208.741,199.4 212.505,203.164 212.505,204.786 213.144,205.425 213.147,205.425 213.165,205.444 213.656,205.444 213.675,205.425 213.982,205.425 v2(214.372,205.815)